# Altium PCB PCB.PcbDoc (part 8 of 10)
Units mm, origin at the board's own origin, x right, y up, seen from the top; angles counter-clockwise.
Board outline 25 x 25 mm, 10 copper layers (Top Layer, bu3, bu2, bu1, Core1, Core1b, bu1b, bu2b, bu3b, Bottom Layer), stack 1.2 mm thick; 43 components, 310 nets, 1945 pads, 12307 vias.
Unrouted connection lines stored in the file: 68.
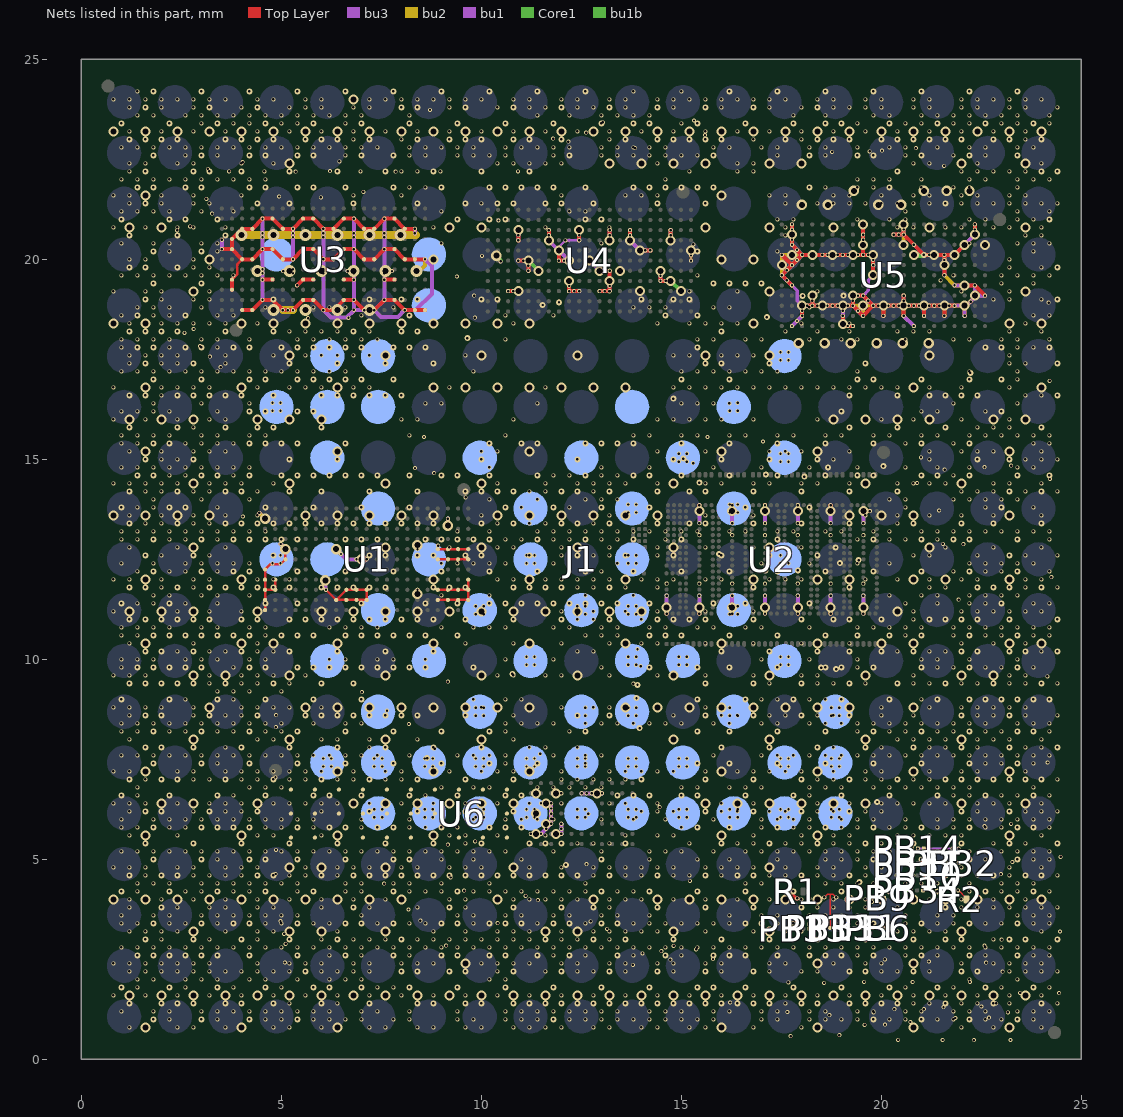
[diagram p16: the nets of this part, all layers, seen from the top]

## Via types
v1: diameter 0.1, hole 0.06, Top Layer to bu3, 2216 vias
v2: diameter 0.1, hole 0.06, bu3 to bu2, 1881 vias
v3: diameter 0.1, hole 0.06, bu3b to Bottom Layer, 1302 vias
v4: diameter 0.1, hole 0.06, bu2b to bu3b, 1272 vias
v5: diameter 0.1, hole 0.06, bu2 to bu1, 1248 vias
v6: diameter 0.15/0.1 (per signal layer), hole 0.06, Core1b to bu1b, 1224 vias
v7: diameter 0.1/0.15 (per signal layer), hole 0.06, bu1 to Core1, 1096 vias
v8: diameter 0.1, hole 0.06, bu1b to bu2b, 1021 vias
v9: diameter 0.25, hole 0.15, Core1 to Core1b, 537 vias
v10: diameter 0.3, hole 0.15, Core1 to Core1b, 253 vias
v11: diameter 0.1/0.1 (per signal layer), hole 0.06, bu1b to bu2b, 114 vias
v12: diameter 0.26, hole 0.15, Core1 to Core1b, 81 vias
v13: diameter 0.1, hole 0.06, bu1 to Core1, 52 vias
v14: diameter 0.105, hole 0.06, Top Layer to bu3, 6 vias
v15: diameter 0.1, hole 0.06, Core1b to bu1b, 4 vias

## Nets (pads, with @x,y where several pads share a name; then routed paths per layer and width w, separated by ;. In a path a pad name is that pad's centre, name@x,y a point inside that pad or via, vN(x,y) a via of type N, cw(c..) or ccw(c..) an arc to the next point about the centre after c; other vN are vias at no path point) (continued)
VSS: J1.D13 J1.D16 J1.E13 J1.F6 J1.F14 J1.F15 J1.G7 J1.G9 J1.G14 J1.G15 J1.G16 J1.H6 J1.H8 J1.H10 J1.H12 J1.H15 J1.J7 J1.J9 J1.J11 J1.J14 J1.K6 J1.K9 J1.K11 J1.K13 J1.K15 J1.K16 J1.L7 J1.L9 J1.L10 J1.L12 J1.L14 J1.M6 J1.M8 J1.M9 J1.M11 J1.M13 J1.M15 J1.N5 J1.N7 J1.N9 J1.N10 J1.N12 J1.N14 J1.P5 J1.P6 J1.P8 J1.P9 J1.P10 J1.P11 J1.P12 J1.P13 J1.P14 J1.P15 J1.R5 J1.R6 J1.R7 J1.R8 J1.R9 J1.R10 J1.R11 J1.R12 J1.R13 J1.R14 PB6.1 PB6.3 PB9.1 PB9.3 PB10.1 PB10.3 PB11.1 PB11.3 PB13.1 PB13.2 PB13.3 PB14.1 PB14.2 PB14.3 PB31.1 PB31.3 PB32.1 PB32.3 PB33.1 PB33.3 PB34.1 PB34.3 R1.1 R2.1 U1.A2 U1.A7 U1.A8 U1.A9 U1.A10 U1.A11 U1.B8 U1.B9 U1.C5 U1.C6 U1.G9 U1.H5 U1.H10 U1.I9 U1.I10 U1.J6 U1.J9 U1.J10 U1.K6 U1.K9 U1.K10 U1.P5 U1.P9 U1.R5 U1.R6 U1.R9 U1.R10 U1.S2 U1.S5 U1.S6 U1.S9 U1.S10 U1.T5 U1.T6 U1.T9 U1.T10 U1.U5 U1.U6 U1.U8 U1.U9 U1.U10 U2.9 U2.11 U2.13 U2.38 U2.40 U2.42 U2.67 U2.69 U2.71 U2.96 U2.98 U2.100 U2.125 U2.127 U2.129 U2.154 U2.156 U2.158 U2.183 U2.185 U2.187 U2.212 U2.214 U2.216 U2.241 U2.243 U2.245 U2.270 U2.272 U2.274 U2.299 U2.301 U2.303 U2.328 U2.330 U2.332 U2.405 U2.407 U2.409 U3.A1 U3.A6 U3.B1 U3.B6 U3.B9 U3.C1 U3.C6 U3.C9 U3.D2 U3.D4 U3.D7 U3.D10 U3.E2 U3.E4 U3.E7 U3.E10 U3.F1 U3.F6 U3.F9 U3.G1 U3.G6 U3.G9 U3.H2 U3.H4 U3.H7 U3.H10 U3.I2 U3.I4 U3.I7 U3.I10 U3.J1 U3.J6 U3.J9 U3.K1 U3.K6 U3.K9 U3.L2 U3.L4 U3.L7 U3.L10 U3.M2 U3.M4 U3.M7 U3.M10 U3.N1 U3.N6 U3.N9 U3.O1 U3.O6 U3.O9 U3.P2 U3.P4 U3.P7 U3.P10 U3.Q2 U3.Q4 U3.Q7 U3.Q10 U3.R1 U3.R6 U3.R9 U3.S1 U3.S6 U3.S9 U3.T3 U3.T4 U3.T7 U3.T8 U3.U7 U4.C9 U4.D3 U4.D4 U4.D6 U4.D9 U4.E6 U4.E7 U4.G3 U4.G4 U4.H5 U4.H6 U4.I6 U4.I8 U4.I9 U4.J3 U4.J4 U4.J9 U4.L7 U4.L9 U4.M3 U4.M4 U4.M7 U4.M8 U4.M9 U4.O3 U4.O4 U4.P5 U4.Q5 U4.R7 U4.R8 U4.S3 U4.S4 U4.S8 U4.U6 U5.A4 U5.A6 U5.B1 U5.B2 U5.B3 U5.B5 U5.B7 U5.B11 U5.C4 U5.C9 U5.C10 U5.D4 U5.D8 U5.D9 U5.E4 U5.E9 U5.F4 U5.F9 U5.G4 U5.G9 U5.G10 U5.G11 U5.H4 U5.H8 U5.H9 U5.H11 U5.I1 U5.I2 U5.I3 U5.I4 U5.I8 U5.I10 U5.J4 U5.J5 U5.J6 U5.J9 U5.K9 U5.K10 U5.L2 U5.L9 U5.M1 U5.M2 U5.M8 U5.M9 U5.M10 U5.N3 U5.N9 U5.N11 U5.O4 U5.O9 U5.O10 U5.P4 U5.P9 U5.Q4 U5.Q5 U5.Q6 U5.Q9 U5.Q10 U5.R4 U5.R7 U5.R9 U5.S3 U5.S7 U5.S10 U5.T1 U5.T2 U5.T7 U5.U8 U6.B4 U6.B5 U6.B6 U6.B8 U6.C9 U6.C10 U6.D9 U6.E8 U6.E9 U6.F8 U6.F10 U6.F11 U6.X1 U6.X2 U6.X3 U6.X4 U6.X5 U6.X6 U6.X7 U6.X8 U6.X9 U6.X10 U6.Y1 U6.Y2 U6.Y3 U6.Y4 U6.Y5 U6.Y6 U6.Y7 U6.Y8 U6.Y9 U6.Y10 U6.Z1 U6.Z2 U6.Z3 U6.Z4 U6.Z5 U6.Z6 U6.Z7 U6.Z8 U6.Z9 U6.Z10 | length 127.8
  Top Layer w0.04: v14(18.573,4.047) 18.654,4.128 18.722,4.128 ; PB13.2@18.723,3.287 PB13.2@18.723,3.287 18.722,4.128 ; v14(18.873,4.047) 18.792,4.128 18.722,4.128 ; v1(21.916,4.224) 21.93,4.224 22.132,4.022 R2.1@22.132,3.997
  Top Layer w0.06: U3.T4@3.767,19.493 3.894,19.62 3.894,19.874 U3.S6@4.021,20.001 ; U1.A11@4.594,11.23 U1.A9@4.594,11.738 ; U1.B8@4.848,11.992 U1.B9@4.848,11.738 U1.A9@4.594,11.738 ; v1(5.102,12.754) U1.C6@5.102,12.5 4.975,12.373 4.721,12.373 U1.A7@4.594,12.246 U1.A9@4.594,11.738 ; v1(6.118,11.738) U1.H10@6.372,11.484 ; v1(6.88,12.5) v1(7.134,12.5) ; U1.R10@8.912,11.484 U1.U10@9.674,11.484 U1.U9@9.674,11.738 ; U1.R9@8.912,11.738 U1.U9@9.674,11.738 ; U1.R6@8.912,12.5 U1.U6@9.674,12.5 ; U1.R5@8.912,12.754 U1.U5@9.674,12.754 ; U1.U8@9.674,11.992 U1.U9@9.674,11.738 ; U1.H10@6.372,11.484 U1.I9@6.626,11.738 U1.K9@7.134,11.738 U1.K10@7.134,11.484 U1.H10@6.372,11.484
  Top Layer w0.1: v1(3.513,20.255) U3.T7@3.767,20.255 ; U3.T3@3.767,19.239 U3.T4@3.767,19.493 ; U3.S1@4.021,18.731 U3.R1@4.275,18.731 v1(4.529,18.985) U3.P2@4.783,18.985 v1(5.037,18.731) v1(5.291,18.731) U3.M2@5.545,18.985 U3.L2@5.799,18.985 v1(6.053,18.731) U3.J1@6.307,18.731 U3.I2@6.561,18.985 v1(6.815,18.985) U3.G1@7.069,18.731 v1(7.323,18.731) v1(7.577,18.985) U3.D2@7.831,18.985 v1(8.085,18.731) U3.A1@8.593,18.731 ; v1(4.529,19.493) U3.P4@4.783,19.493 ; v1(5.397,19.351) 5.525,19.479 5.531,19.479 U3.M4@5.545,19.493 U3.L4@5.799,19.493 ; U3.I4@6.561,19.493 v1(6.815,19.493) ; v1(7.577,19.493) U3.D4@7.831,19.493 ; v1(8.339,20.763) U3.C9@8.085,20.763 U3.D10@7.831,21.017 v1(7.577,21.017) U3.F9@7.323,20.763 U3.G9@7.069,20.763 v1(6.815,21.017) U3.I10@6.561,21.017 U3.J9@6.307,20.763 v1(6.053,20.763) U3.L10@5.799,21.017 U3.M10@5.545,21.017 v1(5.291,20.763) U3.O9@5.037,20.763 U3.P10@4.783,21.017 v1(4.529,21.017) U3.R9@4.275,20.763 U3.S9@4.021,20.763 U3.T8@3.767,20.509 U3.T7@3.767,20.255 ; v1(8.593,20.001) U3.C6@8.085,20.001 U3.D7@7.831,20.255 v1(7.577,20.255) U3.F6@7.323,20.001 U3.G6@7.069,20.001 v1(6.815,20.255) U3.I7@6.561,20.255 U3.J6@6.307,20.001 v1(6.053,20.001) U3.L7@5.799,20.255 U3.M7@5.545,20.255 v1(5.291,20.001) U3.O6@5.037,20.001 U3.P7@4.783,20.255 v1(4.529,20.255) U3.R6@4.275,20.001 U3.S6@4.021,20.001 U3.T7@3.767,20.255 ; v1(10.67,19.206) v1(10.924,19.206) ; v1(10.924,19.968) v1(11.178,19.968) v1(11.178,19.714) ; v1(10.924,20.476) v1(10.924,20.73) ; v1(11.686,20.476) v1(11.686,20.73) ; v1(11.94,20.222) v1(11.94,19.968) v1(12.194,19.968) ; v1(12.194,19.46) v1(12.194,19.206) v1(12.448,19.206) ; v1(12.448,20.476) v1(12.448,20.73) ; v1(12.956,19.206) v1(13.21,19.206) v1(13.21,19.46) v1(13.21,19.714) v1(12.956,19.714) ; v1(13.21,20.476) v1(13.21,20.73) ; v1(13.718,20.476) v1(13.718,20.73) ; v1(13.972,20.222) v1(14.226,20.222) ; v1(14.48,19.714) v1(14.48,19.46) v1(14.734,19.46) ; v1(14.734,20.476) v1(14.734,20.73) ; v1(17.512,20.11) v1(17.766,19.856) ; R1.1@17.699,4.195 17.87,4.024 v14(17.9,4.024) ; v1(17.766,19.348) v1(17.512,19.602) v1(17.766,19.856) ; v1(17.766,20.872) v1(17.766,20.618) v1(17.766,20.364) v1(18.02,20.11) ; v1(18.02,18.586) v1(18.02,18.84) v1(18.274,18.84) ; v1(18.274,19.094) v1(18.274,18.84) ; v1(19.036,18.586) v1(19.036,18.332) v1(19.29,18.332) ; v1(19.544,20.872) v1(19.544,20.618) v1(19.544,20.364) v1(19.544,20.11) ; v1(19.798,19.602) v1(19.798,19.856) v1(19.798,20.11) v1(19.544,20.11) ; v1(20.052,18.586) v1(20.052,18.84) ; v1(20.306,20.618) v1(20.56,20.618) ; v1(20.56,18.586) v1(20.56,18.84) ; v1(20.56,19.094) v1(20.56,18.84) ; v1(20.56,20.872) v1(20.56,20.618) ; v1(21.068,18.586) v1(21.068,18.84) ; v1(21.576,18.586) v1(21.576,18.84) ; v1(21.576,19.602) v1(21.576,19.856) v1(21.576,20.11) ; v1(21.83,18.84) v1(21.576,18.84) ; v1(22.084,19.348) v1(22.338,19.348) v1(22.592,19.094) ; v1(22.084,20.364) v1(21.83,20.11) v1(21.576,20.11) ; v1(22.338,20.618) v1(22.338,20.872) ; v1(17.766,19.856) v1(18.02,20.11) ; v1(18.02,20.11) v1(18.274,20.11) v1(18.528,20.11) v1(18.782,20.11) v1(19.036,20.11) v1(19.29,20.11) v1(19.544,20.11) ; v1(18.274,18.84) v1(18.528,18.84) v1(18.782,18.84) v1(19.036,18.84) v1(19.29,18.84) ; v1(19.29,18.84) v1(19.544,18.586) v1(19.798,18.84) ; v1(19.29,18.84) v1(19.29,19.094) v1(19.544,19.094) v1(19.798,18.84) ; v1(19.798,18.84) v1(20.052,18.84) ; v1(20.052,18.84) v1(20.306,18.84) v1(20.56,18.84) ; v1(20.56,18.84) v1(20.814,18.84) v1(21.068,18.84) ; v1(20.56,20.618) v1(20.814,20.364) v1(21.068,20.11) v1(21.322,20.11) v1(21.576,20.11) ; v1(21.068,18.84) v1(21.322,18.84) v1(21.576,18.84)
  bu3 w0.04: v1@20.887,5.27 v1(21.781,5.27) v2(21.931,5.27)
  bu3 w0.06: v1(11.94,20.222) 11.948,20.23 11.948,20.321 v2(12.103,20.476) v1(12.448,20.476)
  bu3 w0.08: v1(10.924,20.73) v1@10.929,20.73 ; v1(11.686,20.476) v2(11.686,20.603) v1(11.686,20.73) v1@11.691,20.73 ; v1(12.448,20.476) v2(12.448,20.603) v1(12.448,20.73) v1@12.453,20.73 ; v1(13.718,20.476) v2(13.718,20.603) v1(13.718,20.73) v2@13.723,20.73 ; v1(17.766,19.348) 17.899,19.215 17.899,18.961 v1(18.02,18.84) v2(18.02,18.713) v1(18.02,18.586) ; v1(19.544,19.094) 19.671,19.221 19.671,19.475 v1(19.798,19.602)
  bu3 w0.1: v1(3.513,20.255) v2(3.513,20.486) ; v1(4.529,18.985) v1(4.529,19.493) v1(4.529,20.255) v1(4.529,21.017) ; v2(4.985,12.882) 5.102,12.765 v1(5.102,12.754) ; v1(5.037,18.731) v1(5.291,18.731) ; v1(5.291,20.001) v1(5.291,20.763) ; v1(6.053,20.763) v1(6.053,20.001) v1(6.053,18.731) 6.241,18.543 6.635,18.543 v2@6.815,18.723 ; v1(6.815,21.017) v1(6.815,20.255) v1(6.815,19.493) v1(6.815,18.985) v2@6.815,18.723 ; v1(6.88,12.5) v2(7.007,12.5) v1(7.134,12.5) ; v1(7.577,21.017) v1(7.577,20.255) v1(7.577,19.493) v1(7.577,18.985) v1(7.323,18.731) ; v2(8.339,20.649) v1(8.339,20.763) ; v2@8.404,11.634 v1(8.404,11.738) ; v1(8.593,20.001) 8.764,19.83 8.764,19.135 8.36,18.731 v1(8.085,18.731) 7.915,18.561 7.493,18.561 v1(7.323,18.731) ; v1(10.67,19.206) v2(10.797,19.206) v1(10.924,19.206) ; v1(10.924,19.968) v2(11.051,19.968) v1(11.178,19.968) v2(11.178,19.841) v1(11.178,19.714) ; v1(10.924,20.476) v2(10.924,20.603) v1(10.924,20.73) ; v1(11.238,5.635) v5(11.365,5.635) v1(11.492,5.635) v2(11.619,5.762) v1(11.746,5.889) v2(11.746,6.016) v1(11.746,6.143) v2(11.746,6.27) v1(11.746,6.397) ; v1(11.94,19.968) v2(12.067,19.968) v1(12.194,19.968) ; v1(12,5.635) v2(12,5.762) v1(12,5.889) ; v1(12.194,19.46) v2(12.194,19.333) v1(12.194,19.206) v2(12.321,19.206) v1(12.448,19.206) ; v1(12.508,6.651) v2(12.635,6.651) v1(12.762,6.651) v5(12.889,6.651) v1(13.016,6.651) ; v1(12.956,19.206) v2(13.083,19.206) v1(13.21,19.206) v2(13.21,19.333) v1(13.21,19.46) ; v1(13.21,20.476) v2(13.21,20.603) v1(13.21,20.73) ; v1(13.718,20.476) v1(13.972,20.222) v2(14.099,20.222) v1(14.226,20.222) ; v1(14.48,19.714) v2(14.48,19.587) v1(14.48,19.46) v2(14.607,19.46) v1(14.734,19.46) ; v1(14.734,20.476) v2(14.734,20.603) v1(14.734,20.73) ; v1(17.512,20.11) v1(17.766,19.856) ; v1(17.766,18.332) v2(17.893,18.459) v1(18.02,18.586) ; v1(17.766,19.348) v2(17.639,19.475) v1(17.512,19.602) v2(17.639,19.729) v1(17.766,19.856) ; v1(17.766,20.872) v2(17.766,20.745) v1(17.766,20.618) v2(17.766,20.491) v1(17.766,20.364) v2(17.893,20.237) v1(18.02,20.11) ; v1(18.02,18.84) v2(18.147,18.84) v1(18.274,18.84) ; v1(18.274,19.094) v2(18.274,18.967) v1(18.274,18.84) ; v1(19.29,18.332) v2(19.163,18.332) v1(19.036,18.332) v1(19.036,18.586) v2(19.036,18.713) v1(19.036,18.84) ; v1(19.544,18.586) v2(19.417,18.713) v1(19.29,18.84) ; v1(19.544,20.872) v1(19.544,20.618) v1(19.544,20.364) v1(19.544,20.11) ; v1(19.798,19.602) v1(19.798,19.856) v2(19.798,19.983) v1(19.798,20.11) v1(19.544,20.11) ; v1(20.306,20.618) v2(20.433,20.618) v1(20.56,20.618) v2(20.56,20.745) v1(20.56,20.872) ; v1(20.56,18.586) v1(20.814,18.332) ; v1(20.56,19.094) v2(20.56,18.967) v1(20.56,18.84) ; v1(20.814,20.364) v1(21.068,20.11) v2(21.195,20.11) v1(21.322,20.11) v1(21.576,20.11) ; v1(21.576,19.602) v1(21.576,19.856) v2(21.576,19.983) v1(21.576,20.11) ; v1(21.83,19.348) v1(22.084,19.348) v1(22.338,19.348) 22.338,19.047 ; v1(22.084,18.586) 22.084,18.831 ; v1(22.338,20.872) v2(22.338,20.745) v1(22.338,20.618) v1(22.084,20.364) v1(21.83,20.11) v1(21.576,20.11) ; v1(22.592,19.094) 22.385,19.094 22.338,19.047 ; v2@6.815,18.723 6.823,18.731 v1(7.323,18.731) ; v1(17.766,19.856) v2(17.893,19.983) v1(18.02,20.11) ; v1(18.02,20.11) v1(18.274,20.11) v1(18.528,20.11) v2(18.655,20.11) v1(18.782,20.11) v2(18.909,20.11) v1(19.036,20.11) v1(19.29,20.11) v1(19.544,20.11) ; v1(18.274,18.84) v2(18.401,18.84) v1(18.528,18.84) v2(18.655,18.84) v1(18.782,18.84) v2(18.909,18.84) v1(19.036,18.84) ; v1(19.036,18.84) v2(19.163,18.84) v1(19.29,18.84) ; v1(19.29,18.84) v2(19.29,18.967) v1(19.29,19.094) v2(19.417,19.094) v1(19.544,19.094) v2(19.671,18.967) v1(19.798,18.84) v2(19.925,18.84) v1(20.052,18.84) v2(20.179,18.84) v1(20.306,18.84) v2(20.433,18.84) v1(20.56,18.84) ; v1(20.56,18.84) v2(20.687,18.84) v1(20.814,18.84) v2(20.941,18.84) v1(21.068,18.84) v2(21.195,18.84) v1(21.322,18.84) v2(21.449,18.84) v1(21.576,18.84) v2(21.703,18.84) v1(21.83,18.84) 22.131,18.84 v2(22.234,18.944) 22.338,19.047
  Core1 w0.1: v1(11.178,19.968) v9(11.432,19.714) ; v1(14.734,19.46) v9(14.988,19.206)
  Core1 w0.15: v9(20.814,20.11) v7(21.062,20.11)
  bu2 w0.06: v1(17.766,19.348) 17.899,19.215 17.899,18.961 v1(18.02,18.84)
  bu2 w0.08: v1(15.242,19.968) v5(15.242,20.222)
  bu2 w0.1: v5(4.452,13.664) 4.594,13.522 v1(4.594,13.516) ; v2(4.985,12.882) 5.102,12.765 v1(5.102,12.754) ; v1(6.371,12.754) 6.373,12.754 v5(6.493,12.634) ; v5@8.365,19.702 8.448,19.702 8.593,19.847 v1(8.593,20.001) ; v2(8.403,12.754) v12(8.403,12.856) ; v5(14.632,11.144) v2(14.632,11.294) ; v1(14.734,20.476) v2(14.734,20.603) v1(14.734,20.73) ; v5(15.452,11.144) v2(15.452,11.294) ; v2(15.452,13.704) v5(15.452,13.854) ; v5(16.272,11.144) v1(16.272,11.294) ; v2(16.272,13.704) v5(16.272,13.854) ; v5(17.092,11.144) v2(17.092,11.294) ; v2(17.092,13.704) v5(17.092,13.854) ; v1(17.766,19.348) v2(17.639,19.475) v1(17.512,19.602) ; v2(17.766,20.745) v1(17.766,20.618) v2(17.766,20.491) v1(17.766,20.364) v2(17.893,20.237) v1(18.02,20.11) ; v2(17.893,18.459) v1(18.02,18.586) v2(18.02,18.713) v1(18.02,18.84) v2(18.147,18.84) v1(18.274,18.84) ; v5(17.912,11.144) v2(17.912,11.294) ; v2(17.912,13.704) v5(17.912,13.854) ; v1(18.274,19.094) v2(18.274,18.967) v1(18.274,18.84) ; v1(18.274,20.11) v1(18.02,20.11) ; v1(18.528,20.11) v2(18.655,20.11) v1(18.782,20.11) v2(18.909,20.11) v1(19.036,20.11) v2(19.163,20.11) v1(19.29,20.11) v1(19.798,20.11) v2(19.798,19.983) v1(19.798,19.602) ; v5(18.732,11.144) v2(18.732,11.294) ; v2(18.732,13.704) v5(18.732,13.854) ; v2(19.163,18.332) 19.086,18.332 v5(19.036,18.382) v2(19.036,18.713) v1(19.036,18.84) ; v2(19.29,18.967) v1(19.29,19.094) v2(19.417,19.094) ; v2(19.417,18.713) 19.417,18.823 19.4,18.84 ; v1(19.544,18.586) v5(19.544,18.84) ; v1(19.544,20.364) v1(19.544,20.872) ; v5(19.552,11.144) v2(19.552,11.294) ; v2(19.552,13.704) 19.713,13.704 v5(19.714,13.705) ; v2(19.671,18.967) 19.671,18.84 ; v1(20.052,18.586) v1(20.052,18.84) ; v2(20.433,20.618) v1(20.56,20.618) ; v1(20.56,18.586) v1(20.56,18.84) ; v2(20.56,18.967) v1(20.56,18.84) ; v5(20.56,20.364) v1(20.56,20.618) ; v1(20.56,20.872) v2(20.56,20.745) v1(20.56,20.618) ; v1(21.068,18.586) v1(21.068,18.84) ; v2(21.195,20.11) v1(21.322,20.11) v1(21.576,20.11) ; v1(21.576,18.586) v1(21.576,18.84) ; v1(21.576,19.602) v1(21.83,19.348) v1(22.084,19.348) ; v1(21.576,19.856) v2(21.576,19.983) v1(21.576,20.11) ; v1(21.83,20.11) v1(21.576,20.11) ; v1(22.084,18.586) v5(22.084,18.84) ; v1(22.084,20.364) v1(22.338,20.618) v2(22.338,20.745) v1(22.338,20.872) ; v1(22.592,19.094) v5(22.338,19.094) 22.338,19.047 v2(22.234,18.944) 22.131,18.84 v5(22.084,18.84) ; v1(17.512,19.602) v5(17.512,19.856) v1(17.512,20.11) v5(17.766,20.11) v1(18.02,20.11) ; v1(17.512,19.602) v2(17.639,19.729) v1(17.766,19.856) v2(17.893,19.983) v1(18.02,20.11) ; v1(18.274,18.84) v2(18.401,18.84) v1(18.528,18.84) v2(18.655,18.84) v2(18.909,18.84) v1(19.036,18.84) ; v1(19.036,18.84) v2(19.163,18.84) 19.4,18.84 ; 19.4,18.84 v5(19.544,18.84) ; v5(19.544,18.84) 19.671,18.84 ; 19.671,18.84 v2(19.925,18.84) v1(20.052,18.84) ; v1(20.052,18.84) v2(20.179,18.84) v2(20.433,18.84) v1(20.56,18.84) ; v1(20.56,18.84) v2(20.687,18.84) v2(20.941,18.84) v1(21.068,18.84) ; v1(21.068,18.84) v2(21.195,18.84) v2(21.449,18.84) v1(21.576,18.84) ; v1(21.576,18.84) v2(21.703,18.84) v5(22.084,18.84)
  bu2 w0.2: v5@3.993,20.602 8.365,20.602 ; v1(5.037,18.731) v1(5.291,18.731)
  bu1 w0.05: v2(10.018,20.089) v5@10.019,20.09 ; v7@10.376,20.09 v12(10.378,20.092)
  bu1 w0.1: v5(4.452,13.664) 4.452,13.658 v1(4.594,13.516) ; v5(5.045,19.703) v13(5.206,19.703) ; v5(5.844,19.703) v13(6.006,19.703) ; v7(6.099,11.975) 6.099,11.757 v1(6.118,11.738) ; v1(6.371,12.754) 6.373,12.754 v5(6.493,12.634) 6.627,12.5 v2(7.007,12.5) ; v5(6.66,19.703) v13(6.806,19.703) ; v13(7.606,19.703) v5(7.768,19.703) ; v7(9.165,13.342) v1(9.165,13.516) ; v1(11.686,20.476) v1(12.194,19.968) ; v7(12.702,19.968) v1(12.956,19.714) ; v5(14.632,11.144) v2(14.632,11.294) v1(14.632,11.594) ; v5(15.452,11.144) v2(15.452,11.294) v1(15.452,11.594) ; v1(15.452,13.404) v5(15.452,13.854) ; v5(16.272,11.144) v1(16.272,11.294) v2(16.272,11.594) ; v1(16.272,13.404) v2(16.272,13.704) v5(16.272,13.854) ; v5(17.092,11.144) v2(17.092,11.294) v1(17.092,11.594) ; v1(17.092,13.404) v2(17.092,13.704) v5(17.092,13.854) ; v5(17.912,11.144) v2(17.912,11.294) v1(17.912,11.594) ; v1(17.912,13.404) v2(17.912,13.704) v5(17.912,13.854) ; v5(18.732,11.144) v2(18.732,11.294) v1(18.732,11.594) ; v1(18.732,13.404) v2(18.732,13.704) v5(18.732,13.854) ; v5(19.552,11.144) v2(19.552,11.294) v1(19.552,11.594) ; v1(19.552,13.404) v2(19.552,13.704) 19.713,13.704 v5(19.714,13.705) ; v7(21.062,20.11) v1(21.322,20.11)
  bu1b w0.1: v12(10.378,20.092) 10.378,20.085 10.483,19.98 v4(10.483,19.948)
  other v1: 20.421,0.488 21.535,0.482 22.312,0.477 23.229,0.482 17.731,0.578 18.952,0.606 1.2,0.8 1.6,0.8 2.4,0.8 2.8,0.8 3.6,0.8 4,0.8 4.8,0.8 5.2,0.8 6,0.8 6.4,0.8 7.2,0.8 8.4,0.8 9.6,0.8 10.8,0.8 11.6,0.8 12,0.8 12.8,0.8 13.2,0.8 14,0.8 14.4,0.8 15.2,0.8 15.6,0.8 16.8,0.8 19.584,0.861 20.091,0.866 20.726,0.932 21.851,1.034 22.693,1.044 18.7,1.104 19.806,1.173 23.162,1.176 1,1.2 2.2,1.2 3,1.2 3.4,1.2 4.6,1.2 5,1.2 5.8,1.2 6.2,1.2 7,1.2 10.6,1.2 11,1.2 11.4,1.2 12.2,1.2 12.6,1.2 13,1.2 13.4,1.2 14.2,1.2 14.6,1.2 15,1.2 15.8,1.2 16.2,1.2 17.649,1.182 20.328,1.256 21.064,1.256 21.555,1.303 22.503,1.321 22.869,1.4 1.2,1.6 1.6,1.6 2,1.6 2.4,1.6 2.8,1.6 3.2,1.6 4,1.6 4.4,1.6 4.8,1.6 6,1.6 7.2,1.6 8,1.6 11.6,1.6 12,1.6 12.4,1.6 12.8,1.6 13.2,1.6 14,1.6 14.4,1.6 15.2,1.6 15.6,1.6 24.445,1.653 23.472,1.664 18.57,1.914 17.674,1.926 19.57,1.937 20.782,1.932 22.212,1.932 1.4,2 1.8,2 2.6,2 3.4,2 4.2,2 4.6,2 6.2,2 23.033,2.191 0.8,2.4 1.2,2.4 2.4,2.4 3.2,2.4 4.4,2.4 5.2,2.4 6,2.4 6.8,2.4 7.2,2.4 8.8,2.4 9.6,2.4 10,2.4 10.4,2.4 10.8,2.4 11.2,2.4 12.4,2.4 15.6,2.4 23.6,2.4 22.621,2.416 21.188,2.445 20.088,2.501 14.03,2.649 14.501,2.702 1.4,2.8 1.8,2.8 2.6,2.8 3,2.8 4.2,2.8 4.6,2.8 8.6,2.8 18.2,2.8 18.6,2.8 19,2.8 19.8,2.8 20.2,2.8 20.6,2.8 21,2.8 21.4,2.8 21.8,2.8 22.2,2.8 14.806,2.838 22.58,2.843 23.009,2.992 1.2,3.2 1.6,3.2 2,3.2 2.4,3.2 4.4,3.2 4.8,3.2 6,3.2 6.4,3.2 8.8,3.2 10.4,3.2 10.8,3.2 11.2,3.2 11.6,3.2 12,3.2 12.4,3.2 12.8,3.2 13.2,3.2 13.6,3.2 14,3.2 14.4,3.2 14.8,3.2 17.6,3.2 20.4,3.2 20.8,3.2 21.2,3.2 21.6,3.2 22,3.2 24.467,3.195 17.9,3.364 18.2,3.364 18.573,3.387 18.873,3.387 19.179,3.388 19.479,3.388 19.764,3.378 20.064,3.378 1,3.6 2.2,3.6 3.8,3.6 4.6,3.6 5,3.6 7,3.6 10.6,3.6 11,3.6 11.8,3.6 12.2,3.6 13,3.6 14.2,3.6 20.6,3.6 21.4,3.6 21.8,3.6 23.4,3.6 19.764,3.938 20.064,3.938 1.2,4 1.6,4 2,4 2.8,4 4.4,4 4.8,4 5.2,4 6,4 6.4,4 7.6,4 8,4 9.6,4 10.4,4 10.8,4 11.2,4 11.6,4 12,4 12.4,4 12.8,4 14,4 16.8,4 17.2,4 20.4,4 20.8,4 21.2,4 21.6,4 22,4 20.746,4.224 1.4,4.4 1.8,4.4 2.2,4.4 4.2,4.4 4.6,4.4 5,4.4 7,4.4 8.2,4.4 12.6,4.4 16.6,4.4 17,4.4 17.4,4.4 18.6,4.4 19,4.4 19.4,4.4 19.8,4.4 20.6,4.4 21,4.4 21.4,4.4 21.8,4.4 22.2,4.4 23.4,4.4 15.212,4.462 20.762,4.596 21.932,4.596 22.99,4.631 0.8,4.8 1.2,4.8 1.6,4.8 2.4,4.8 2.8,4.8 4,4.8 4.4,4.8 5.2,4.8 6,4.8 6.4,4.8 7.6,4.8 10,4.8 11.2,4.8 12.8,4.8 14,4.8 16,4.8 16.4,4.8 16.8,4.8 17.2,4.8 17.6,4.8 18.4,4.8 18.8,4.8 19.6,4.8 20,4.8 22,4.8 20.759,4.902 21.929,4.902 23.274,4.934 24.484,5.063 1.4,5.2 2.6,5.2 4.2,5.2 4.6,5.2 5,5.2 8.2,5.2 9,5.2 9.4,5.2 10.2,5.2 10.6,5.2 11.8,5.2 15,5.2 16.6,5.2 17.8,5.2 18.6,5.2 19.8,5.2 20.6,5.2 22.2,5.2 20.761,5.27 20.911,5.27 21.931,5.27 1.2,5.6 1.6,5.6 2.4,5.6 4.4,5.6 4.8,5.6 6,5.6 9.2,5.6 9.6,5.6 10.4,5.6 14.8,5.6 16.8,5.6 18,5.6 18.8,5.6 19.2,5.6 20.4,5.6 21.2,5.6 21.6,5.6 22,5.6 22.58,5.827 23.244,5.889 1,6 2.6,6 3.8,6 4.6,6 5,6 7,6 8.2,6 9.4,6 9.8,6 10.6,6 15.8,6 17,6 17.8,6 19,6 19.4,6 20.6,6 21.4,6 21.8,6 22.2,6 24.2,6 14.458,6.303 1.2,6.4 2.8,6.4 4,6.4 4.4,6.4 4.8,6.4 5.2,6.4 6,6.4 6.4,6.4 7.6,6.4 9.2,6.4 9.6,6.4 10,6.4 10.4,6.4 11.492,6.397 15.6,6.4 16,6.4 16.8,6.4 17.2,6.4 18,6.4 18.4,6.4 18.8,6.4 19.2,6.4 19.6,6.4 20.4,6.4 20.8,6.4 21.6,6.4 12,6.651 1.4,6.8 4.2,6.8 4.6,6.8 5,6.8 9,6.8 9.8,6.8 10.2,6.8 15,6.8 15.4,6.8 16.2,6.8 16.6,6.8 17,6.8 18.2,6.8 18.6,6.8 19,6.8 19.8,6.8 20.2,6.8 20.6,6.8 21,6.8 21.4,6.8 21.8,6.8 22.2,6.8 0.8,7.2 1.2,7.2 2.8,7.2 4,7.2 4.4,7.2 5.2,7.2 6,7.2 6.4,7.2 7.6,7.2 9.2,7.2 10,7.2 10.4,7.2 16,7.2 16.4,7.2 17.2,7.2 17.6,7.2 18.8,7.2 20,7.2 20.8,7.2 21.2,7.2 22,7.2 24.158,7.421 4.2,7.6 4.6,7.6 5,7.6 7,7.6 8.2,7.6 9.4,7.6 9.8,7.6 10.2,7.6 17.4,7.6 17.8,7.6 18.2,7.6 19,7.6 19.4,7.6 20.2,7.6 20.6,7.6 21,7.6 21.8,7.6 11.47,7.637 8.833,7.767 1.2,8 4.4,8 4.8,8 5.2,8 6,8 6.4,8 7.6,8 8.4,8 20.4,8 20.8,8 21.2,8 21.6,8 8.19,8.384 1,8.4 3.8,8.4 4.6,8.4 5,8.4 7,8.4 13.8,8.4 14.2,8.4 14.6,8.4 15,8.4 15.8,8.4 16.2,8.4 17,8.4 17.4,8.4 18.2,8.4 18.6,8.4 19,8.4 19.4,8.4 19.8,8.4 20.2,8.4 21,8.4 21.4,8.4 21.8,8.4 24.2,8.4 7.641,8.717 1.2,8.8 2.8,8.8 4,8.8 4.8,8.8 5.2,8.8 6,8.8 6.4,8.8 21.2,8.8 22,8.8 7.011,9.18 3.8,9.2 4.2,9.2 5,9.2 24.152,9.576 0.8,9.6 1.2,9.6 2.8,9.6 4,9.6 4.4,9.6 22,9.6 4.2,10 1.2,10.4 2.8,10.4 4,10.4 4.4,10.4 13.2,10.4 13.6,10.4 14,10.4 14.4,10.4 22,10.4 1,10.8 13.4,10.8 14.2,10.8 20.2,10.8 24.2,10.8 1.2,11.2 2.8,11.2 13.6,11.2 14,11.2 14.4,11.2 14.632,11.294 15.452,11.294 17.092,11.294 17.912,11.294 18.732,11.294 19.552,11.294 21.935,11.49 16.272,11.594 13.8,11.6 20.2,11.6 21.4,11.6 14.632,11.894 15.452,11.894 16.272,11.894 17.092,11.894 17.912,11.894 18.732,11.894 19.552,11.894 0.8,12 1.2,12 2.8,12 4,12 24.253,12.055 13.4,12.4 20.2,12.4 8.403,12.754 1.2,12.8 10,12.8 10.4,12.8 21.54,12.886 22.05,12.879 15.452,13.104 16.272,13.104 17.092,13.104 17.912,13.104 18.732,13.104 19.552,13.104 1,13.2 10.2,13.2 13.4,13.2 20.2,13.2 24.2,13.2 1.2,13.6 2.8,13.6 4.4,13.6 10,13.6 10.4,13.6 15.452,13.704 16.272,13.704 17.092,13.704 17.912,13.704 18.732,13.704 19.552,13.704 21.447,13.721 10.2,14 13.4,14 20.2,14 0.8,14.4 1.2,14.4 2.8,14.4 10.4,14.4 13.6,14.4 14.8,14.4 20.897,14.409 21.6,14.4 24.213,14.508 21.583,14.744 1.4,14.8 3.4,14.8 10.2,14.8 14.2,14.8 22.579,14.805 23.247,14.84 20.991,15.051 1.2,15.2 3.6,15.2 10,15.2 10.4,15.2 14.4,15.2 17.2,15.2 17.6,15.2 18,15.2 18.4,15.2 19.2,15.2 17.041,15.445 1,15.6 1.4,15.6 2.2,15.6 8.2,15.6 10.6,15.6 24.2,15.6 1.2,16 2.4,16 8,16 8.4,16 10.8,16 14.8,16 15.2,16 15.6,16 16,16 20,16 21.2,16 22,16 1.8,16.4 3,16.4 8.6,16.4 9,16.4 11.4,16.4 15,16.4 15.4,16.4 15.8,16.4 16.2,16.4 21.8,16.4 0.8,16.8 1.6,16.8 2,16.8 2.4,16.8 2.8,16.8 3.2,16.8 4,16.8 4.4,16.8 5.2,16.8 5.6,16.8 6,16.8 6.8,16.8 8.8,16.8 9.2,16.8 11.6,16.8 14.8,16.8 15.2,16.8 16,16.8 16.4,16.8 17.2,16.8 17.6,16.8 18.4,16.8 18.8,16.8 19.6,16.8 20,16.8 20.8,16.8 21.2,16.8 22,16.8 24.207,16.963 2.2,17.2 2.6,17.2 3.4,17.2 4.6,17.2 5,17.2 5.4,17.2 5.8,17.2 6.2,17.2 6.6,17.2 9.8,17.2 15,17.2 15.4,17.2 15.8,17.2 16.2,17.2 16.6,17.2 17,17.2 17.4,17.2 1.2,17.6 1.6,17.6 2,17.6 2.4,17.6 3.6,17.6 4.8,17.6 5.2,17.6 5.6,17.6 6,17.6 6.4,17.6 6.8,17.6 7.6,17.6 9.6,17.6 10,17.6 14.8,17.6 15.2,17.6 15.6,17.6 16,17.6 16.4,17.6 16.8,17.6 1,18 1.4,18 2.2,18 4.2,18 5.8,18 6.2,18 7,18 7.4,18 10.6,18 15.4,18 15.8,18 16.6,18 18.2,18 19,18 19.4,18 20.6,18 21.8,18 24.2,18 2.81,18.258 1.2,18.4 2,18.4 3.2,18.4 4.4,18.4 10.4,18.4 15.2,18.4 15.6,18.4 16,18.4 16.4,18.4 5.671,18.527 6.68,18.536 9.839,18.542 1.4,18.8 2.2,18.8 15.8,18.8 16.2,18.8 24.184,18.917 9.822,19.094 0.8,19.2 2,19.2 2.8,19.2 16.4,19.2 18.4,19.2 9.39,19.571 1.4,19.6 2.2,19.6 2.6,19.6 3,19.6 15.4,19.6 23.8,19.6 1.2,20 1.6,20 3.2,20 8.8,20 10.018,20.089 2.2,20.4 3,20.4 9,20.4 23.8,20.4 24.2,20.4 1.2,20.8 1.6,20.8 2,20.8 8.8,20.8 9.2,20.8 17.2,20.8 23.2,20.8 24,20.8 3.27,21.142 1.4,21.2 1.8,21.2 2.2,21.2 9,21.2 24.2,21.2 3.127,21.513 0.8,21.6 1.2,21.6 1.6,21.6 2,21.6 2.8,21.6 17.2,21.6 17.6,21.6 18.8,21.6 20,21.6 21.2,21.6 22.4,21.6 23.6,21.6 1.4,22 1.8,22 2.2,22 14.6,22 23.8,22 3.694,22.201 4.574,22.201 5.356,22.192 6.216,22.206 6.979,22.201 7.859,22.192 8.975,22.201 10.918,22.199 3.161,22.26 21.573,22.336 1.2,22.4 1.6,22.4 2.4,22.4 15.6,22.4 20.8,22.4 21.2,22.4 22.4,22.4 24,22.4 13.847,22.779 1,22.8 1.4,22.8 1.8,22.8 2.2,22.8 2.6,22.8 3.4,22.8 3.8,22.8 5,22.8 5.4,22.8 6.2,22.8 7,22.8 7.4,22.8 8.2,22.8 8.6,22.8 9,22.8 10.6,22.8 11,22.8 11.8,22.8 18.2,22.8 18.6,22.8 19.4,22.8 20.2,22.8 22.6,22.8 23.8,22.8 12.176,22.94 15.593,23.102 12.62,23.167 1.2,23.2 1.6,23.2 2,23.2 2.8,23.2 3.2,23.2 3.6,23.2 4.4,23.2 4.8,23.2 5.6,23.2 6,23.2 6.4,23.2 6.8,23.2 7.2,23.2 7.6,23.2 14.4,23.2 18.8,23.2 19.2,23.2 19.6,23.2 20,23.2 20.4,23.2 20.8,23.2 21.2,23.2 21.6,23.2 22,23.2 22.4,23.2 23.2,23.2 23.6,23.2 24,23.2 13.04,23.424 15.318,23.47 1.4,23.6 1.8,23.6 2.6,23.6 3,23.6 3.4,23.6 3.8,23.6 4.2,23.6 4.6,23.6 5,23.6 6.2,23.6 6.6,23.6 7,23.6 8.2,23.6 13.8,23.6 17.8,23.6 18.6,23.6 19.8,23.6 20.2,23.6 21,23.6 21.4,23.6 22.2,23.6 22.6,23.6 23.4,23.6 0.8,24 1.2,24 2,24 2.4,24 2.8,24 3.2,24 3.6,24 4.4,24 8.4,24 8.8,24 9.2,24 10,24 11.2,24 13.6,24 14.8,24 15.2,24 16,24 16.4,24 17.2,24 17.6,24 18.4,24 18.8,24 19.6,24 20,24 20.8,24 21.2,24 22,24 22.4,24 22.8,24 23.2,24 23.6,24 24,24